# Altium PCB higgs.PcbDoc (part 8 of 25) (continued)
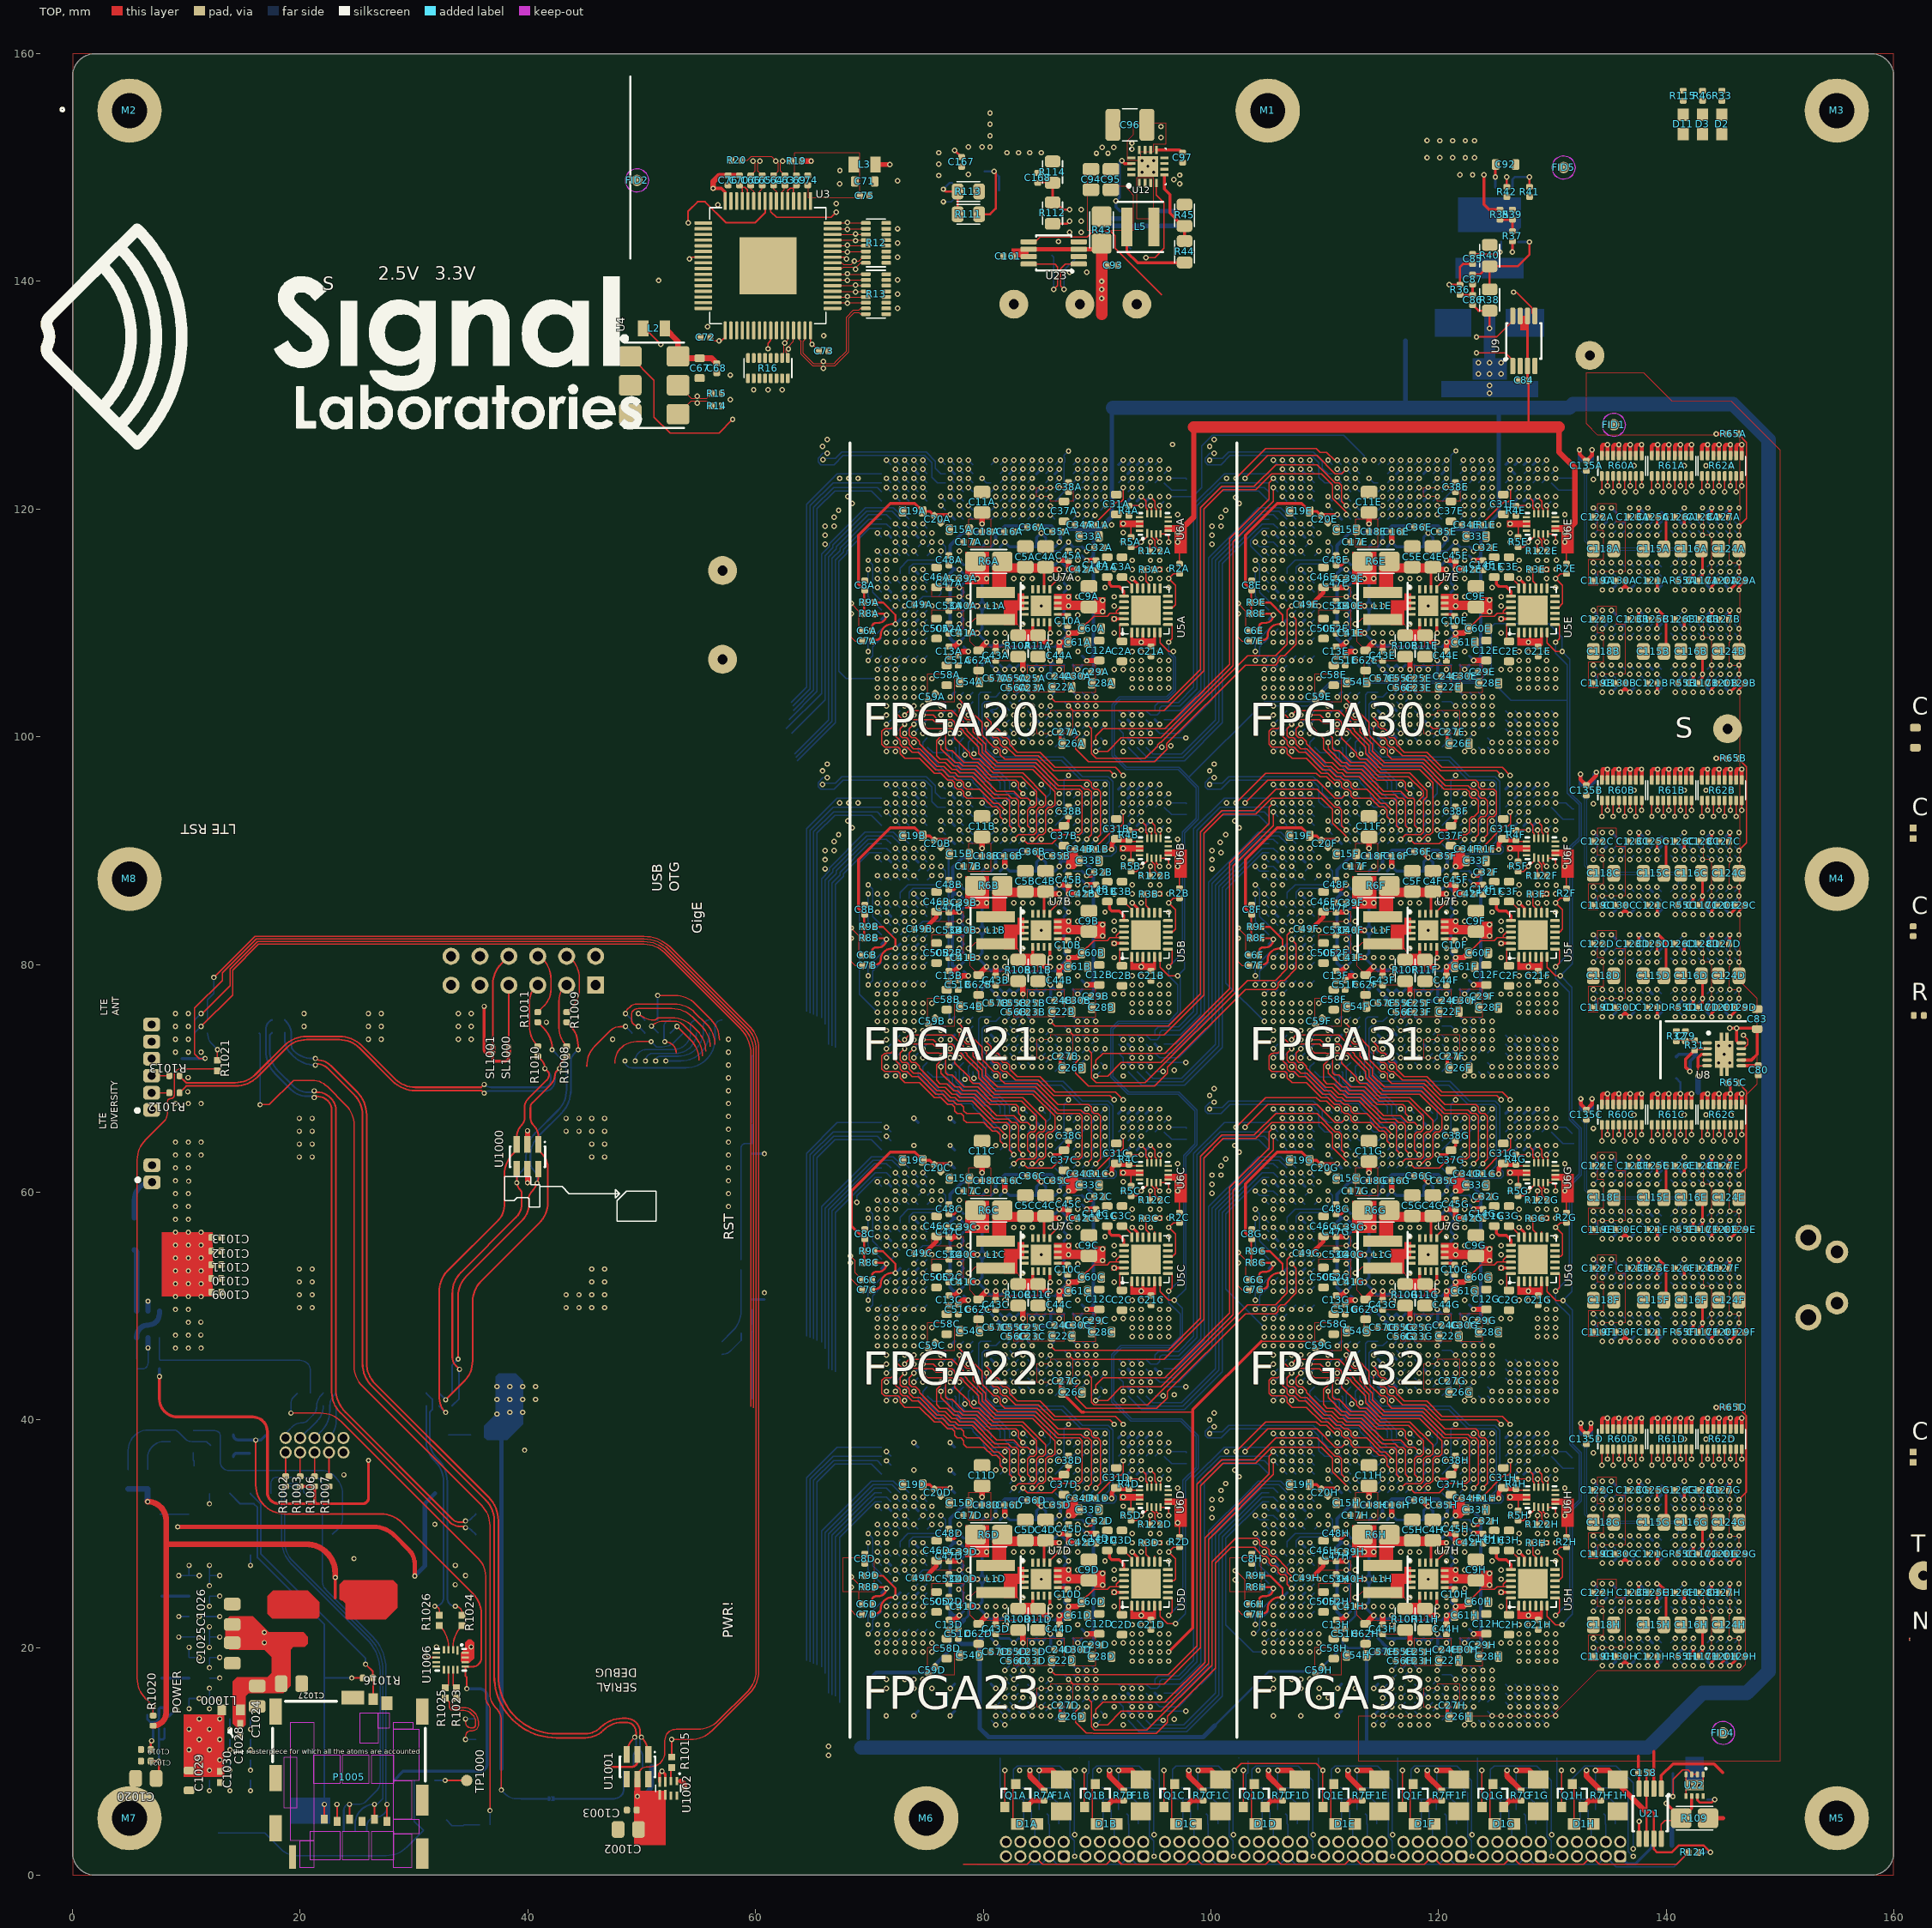
[diagram p0: TOP view]
## Nets (pads, with @x,y where several pads share a name; then routed paths per layer and width w, separated by ;. In a path a pad name is that pad's centre, name@x,y a point inside that pad or via, vN(x,y) a via of type N, cw(c..) or ccw(c..) an arc to the next point about the centre after c; other vN are vias at no path point) (continued)
GND: C1A.1 C1B.1 C1C.1 C1D.1 C1E.1 C1F.1 C1G.1 C1H.1 C2A.1 C2B.1 C2C.1 C2D.1 C2E.1 C2F.1 C2G.1 C2H.1 C3A.1 C3B.1 C3C.1 C3D.1 C3E.1 C3F.1 C3G.1 C3H.1 C4A.1 C4B.1 C4C.1 C4D.1 C4E.1 C4F.1 C4G.1 C4H.1 C5A.1 C5B.1 C5C.1 C5D.1 C5E.1 C5F.1 C5G.1 C5H.1 C8A.1 C8B.1 C8C.1 C8D.1 C8E.1 C8F.1 C8G.1 C8H.1 C9A.1 C9B.1 C9C.1 C9D.1 C9E.1 C9F.1 C9G.1 C9H.1 C10A.2 C10B.2 C10C.2 C10D.2 C10E.2 C10F.2 C10G.2 C10H.2 C11A.1 C11B.1 C11C.1 C11D.1 C11E.1 C11F.1 C11G.1 C11H.1 C12A.1 C12B.1 C12C.1 C12D.1 C12E.1 C12F.1 C12G.1 C12H.1 C13A.1 C13B.1 C13C.1 C13D.1 C13E.1 C13F.1 C13G.1 C13H.1 C14A.2 C14B.2 C14C.2 C14D.2 C14E.2 C14F.2 C14G.2 C14H.2 C15A.1 C15B.1 C15C.1 C15D.1 C15E.1 C15F.1 C15G.1 C15H.1 C16A.1 C16B.1 C16C.1 C16D.1 C16E.1 C16F.1 C16G.1 C16H.1 C17A.1 C17B.1 C17C.1 C17D.1 C17E.1 C17F.1 C17G.1 C17H.1 C18A.1 C18B.1 C18C.1 C18D.1 C18E.1 C18F.1 C18G.1 C18H.1 C19A.1 C19B.1 C19C.1 C19D.1 C19E.1 C19F.1 C19G.1 C19H.1 C20A.1 C20B.1 C20C.1 C20D.1 C20E.1 C20F.1 C20G.1 C20H.1 C21A.1 C21B.1 C21C.1 C21D.1 C21E.1 C21F.1 C21G.1 C21H.1 C22A.1 C22B.1 C22C.1 C22D.1 C22E.1 C22F.1 C22G.1 C22H.1 C23A.1 C23B.1 C23C.1 C23D.1 C23E.1 C23F.1 C23G.1 C23H.1 C24A.1 C24B.1 C24C.1 C24D.1 C24E.1 C24F.1 C24G.1 C24H.1 C25A.1 C25B.1 C25C.1 C25D.1 C25E.1 C25F.1 C25G.1 C25H.1 C26A.1 C26B.1 C26C.1 C26D.1 C26E.1 C26F.1 C26G.1 C26H.1 C27A.1 C27B.1 C27C.1 C27D.1 C27E.1 C27F.1 C27G.1 C27H.1 C28A.1 C28B.1 C28C.1 C28D.1 C28E.1 C28F.1 C28G.1 C28H.1 C29A.1 C29B.1 C29C.1 C29D.1 C29E.1 C29F.1 C29G.1 C29H.1 C30A.1 C30B.1 C30C.1 C30D.1 C30E.1 C30F.1 C30G.1 C30H.1 C31A.1 C31B.1 C31C.1 C31D.1 C31E.1 C31F.1 C31G.1 C31H.1 C32A.1 C32B.1 C32C.1 C32D.1 C32E.1 C32F.1 C32G.1 C32H.1 C33A.1 C33B.1 C33C.1 C33D.1 C33E.1 C33F.1 C33G.1 C33H.1 C34A.1 C34B.1 C34C.1 C34D.1 C34E.1 C34F.1 C34G.1 C34H.1 C35A.1 C35B.1 C35C.1 C35D.1 C35E.1 C35F.1 C35G.1 C35H.1 C36A.1 C36B.1 C36C.1 C36D.1 C36E.1 C36F.1 C36G.1 C36H.1 C37A.1 C37B.1 C37C.1 C37D.1 C37E.1 C37F.1 C37G.1 C37H.1 C38A.1 C38B.1 C38C.1 C38D.1 C38E.1 C38F.1 C38G.1 C38H.1 C39A.1 C39B.1 C39C.1 C39D.1 C39E.1 C39F.1 C39G.1 C39H.1 C40A.1 C40B.1 C40C.1 C40D.1 C40E.1 C40F.1 C40G.1 C40H.1 C41A.1 C41B.1 C41C.1 C41D.1 C41E.1 C41F.1 C41G.1 C41H.1 C42A.1 C42B.1 C42C.1 C42D.1 C42E.1 C42F.1 C42G.1 C42H.1 C43A.1 C43B.1 C43C.1 C43D.1 C43E.1 C43F.1 C43G.1 C43H.1 C44A.1 C44B.1 C44C.1 C44D.1 C44E.1 C44F.1 C44G.1 C44H.1 C45A.1 C45B.1 C45C.1 C45D.1 C45E.1 C45F.1 C45G.1 C45H.1 C46A.1 C46B.1 C46C.1 C46D.1 C46E.1 C46F.1 C46G.1 C46H.1 C47A.1 C47B.1 C47C.1 C47D.1 C47E.1 C47F.1 C47G.1 C47H.1 C48A.1 C48B.1 C48C.1 C48D.1 C48E.1 C48F.1 C48G.1 C48H.1 C49A.1 C49B.1 C49C.1 C49D.1 C49E.1 C49F.1 C49G.1 C49H.1 C50A.1 C50B.1 C50C.1 C50D.1 C50E.1 C50F.1 C50G.1 C50H.1 C51A.1 C51B.1 C51C.1 C51D.1 C51E.1 C51F.1 C51G.1 C51H.1 C52A.1 C52B.1 C52C.1 C52D.1 C52E.1 C52F.1 C52G.1 C52H.1 C53A.1 C53B.1 C53C.1 C53D.1 C53E.1 C53F.1 C53G.1 C53H.1 C54A.1 C54B.1 C54C.1 C54D.1 C54E.1 C54F.1 C54G.1 C54H.1 C55A.1 C55B.1 C55C.1 C55D.1 C55E.1 C55F.1 C55G.1 C55H.1 C56A.1 C56B.1 C56C.1 C56D.1 C56E.1 C56F.1 C56G.1 C56H.1 C57A.1 C57B.1 C57C.1 C57D.1 C57E.1 C57F.1 C57G.1 C57H.1 C58A.1 C58B.1 C58C.1 C58D.1 C58E.1 C58F.1 C58G.1 C58H.1 C59A.1 C59B.1 C59C.1 C59D.1 C59E.1 C59F.1 C59G.1 C59H.1 C60A.1 C60B.1 C60C.1 C60D.1 C60E.1 C60F.1 C60G.1 C60H.1 C61A.1 C61B.1 C61C.1 C61D.1 C61E.1 C61F.1 C61G.1 C61H.1 C62A.1 C62B.1 C62C.1 C62D.1 C62E.1 C62F.1 C62G.1 C62H.1 C67.1 C68.1 C71.1 C72.1 C73.1 C74.1 C75.2 C76.2 C77.1 C78.1 C79.2 C80.1 C81.1 C82.1 C83.1 C84.1 C88.1 C89.1 C90.2 C91.2 C92.1 C93.1 C94.1 C95.1 C96.1 C97.2 C98A.1 C98B.1 C99A.1 C99B.1 C101A.1 C101B.1 C102A.1 C102B.1 C104A.2 C104B.2 C105A.2 C105B.2 C106A.2 C106B.2 C108A.1 C108B.1 C109A.1 C109B.1 C114A.1 C114B.1 C115A.2 C115B.2 C115C.2 C115D.2 C115E.2 C115F.2 C115G.2 C115H.2 C116A.2 C116B.2 C116C.2 C116D.2 C116E.2 C116F.2 C116G.2 C116H.2 C117A.1 C117B.1 C117C.1 C117D.1 C117E.1 C117F.1 C117G.1 C117H.1 C118A.2 C118B.2 C118C.2 C118D.2 C118E.2 C118F.2 C118G.2 C118H.2 C119A.1 C119B.1 C119C.1 C119D.1 C119E.1 C119F.1 C119G.1 C119H.1 C120A.1 C120B.1 C120C.1 C120D.1 C120E.1 C120F.1 C120G.1 C120H.1 C121A.1 C121B.1 C121C.1 C121D.1 C121E.1 C121F.1 C121G.1 C121H.1 C122A.1 C122B.1 C122C.1 C122D.1 C122E.1 C122F.1 C122G.1 C122H.1 C123A.1 C123B.1 C123C.1 C123D.1 C123E.1 C123F.1 C123G.1 C123H.1 C124A.2 C124B.2 C124C.2 C124D.2 C124E.2 C124F.2 C124G.2 C124H.2 C125A.1 C125B.1 C125C.1 C125D.1 C125E.1 C125F.1 C125G.1 C125H.1 C126A.1 C126B.1 C126C.1 C126D.1 C126E.1 C126F.1 C126G.1 C126H.1 C127A.1 C127B.1 C127C.1 C127D.1 C127E.1 C127F.1 C127G.1 C127H.1 C128A.1 C128B.1 C128C.1 C128D.1 C128E.1 C128F.1 C128G.1 C128H.1 C129A.1 C129B.1 C129C.1 C129D.1 C129E.1 C129F.1 C129G.1 C129H.1 C130A.1 C130B.1 C130C.1 C130D.1 C130E.1 C130F.1 C130G.1 C130H.1 C131.2 C132.1 C133.2 C134.2 C135A.1 C135B.1 C135C.1 C135D.1 C136A.2 C136B.2 C136C.2 C136D.2 C137A.2 C137B.2 C137C.2 C137D.2 C138A.1 C138B.1 C138C.1 C138D.1 C139A.1 C139B.1 C139C.1 C139D.1 C140A.1 C140B.1 C140C.1 C140D.1 C141A.1 C141B.1 C141C.1 C141D.1 C142A.1 C142B.1 C143A.1 C143B.1 C144A.1 C144B.1 C145A.1 C145B.1 C146A.1 C146B.1 C149A.1 C149B.1 C150A.1 C150B.1 C151A.1 C151B.1 C152A.1 C152B.1 C158.1 C159.1 C160.1 C161.1 C162.1 C163.1 C164.1 C165.1 C166.1 C167.1 C168.1 C178.1 C182.1 C186.1 C190.1 C1000.1 C1001.1 C1002.1 C1003.1 C1004.2 C1005.2 C1006.2 C1007.2 C1008.1 C1009.1 C1010.1 C1011.1 C1012.1 C1013.1 C1014.1 C1015.1 C1016.1 C1017.1 C1018.1 C1019.1 C1020.1 C1021.1 C1022.1 C1023.2 C1024.1 C1025.1 C1026.1 C1027.1 C1028.2 C1029.1 C1030.2 D2.2 D3.2 D11.2 D1000.1 J5A.1 J5B.1 J5C.1 J5D.1 J5E.1 J5F.1 J5G.1 J5H.1 M1.1 M2.1 M3.1 M4.1 M5.1 M6.1 M7.1 M8.1 P1.2 P2.2 P3.2 P4.2 P5.2 P6.2 P7.2 P8.2 P9.2 P10.2 P11.2 P12.2 P1001.11 P1001.12 P1002.1 P1002.6 P1004.5 P1004.SHELL P1004.SHELL1 P1004.SHELL2 P1004.SHELL3 P1005.C5 P1005.DETECT_LEVER P1005.P1 P1005.P2 P1005.P3 P1005.P4 P1005.P5 P1005.P6 P1005.P7 P1005.P8 P1006.2 P1007.2 P1008.2 Q1000.5 Q1001.2 R7A.2 R7B.2 R7C.2 R7D.2 R7E.2 R7F.2 R7G.2 R7H.2 R11A.1 R11B.1 R11C.1 R11D.1 R11E.1 R11F.1 R11G.1 R11H.1 R12.9 R12.10 R12.11 R12.12 R12.13 R12.14 R12.15 R12.16 R13.9 R13.10 R13.11 R13.12 R13.13 R13.14 R13.15 R13.16 R14.1 R15.1 R16.9 R16.10 R16.11 R16.12 R16.13 R16.14 R16.15 R16.16 R19.2 R20.2 R23A.1 R23B.1 R25A.1 R25B.1 R30.1 R32.2 R39.2 R40.1 R41.2 R42.2 R45.1 R55A.1 R55B.1 R55C.1 R55D.1 R55E.1 R55F.1 R55G.1 R55H.1 R59.1 R113.1 R114.1 R124.1 R124A.2 R124B.2 R124C.2 R124D.2 R124E.2 R124F.2 R124G.2 R124H.2 R1002.2 R1007.2 R1019.2 R1022.1 R1028.1 R1029.2 R1030.2 R?.2 S1.1 S1.3 S1000.2 S1000.3 S1000.5 S1001.2 S1001.3 S1001.5 S1002.2 S1002.3 S1002.5 T1.1 T1.2 T1.5 T2.1 T2.2 T2.5 T3.1 T3.2 T3.5 T4.1 T4.2 T4.5 T5.1 T5.2 T5.5 T6.1 T6.2 T6.5 T7.1 T7.2 T7.5 T8.1 T8.2 T8.5 T9.1 T9.2 T9.5 T10.1 T10.2 T10.5 TP14.1 TP15.1 TP16.1 TP17.1 TP18.1 U1A.AA11 U1A.AA22 U1A.AB11 U1A.AB12 U1A.AB13 U1A.AB14 U1A.AB15 U1A.AB16 U1A.AB17 U1A.AB18 U1A.AB19 U1A.AB20 U1A.AB21 U1A.AB22 U1A.AC12 U1A.AC13 U1A.AC14 U1A.AC15 U1A.AC16 U1A.AC17 U1A.AC18 U1A.AC19 U1A.AC20 U1A.AC21 U1A.AD2 U1A.AD5 U1A.AD28 U1A.AD31 U1A.AF11 U1A.AF12 U1A.AF14 U1A.AF15 U1A.AF16 U1A.AF17 U1A.AF19 U1A.AF20 U1A.AF22 U1A.AF23 U1A.AG9 U1A.AG11 U1A.AG12 U1A.AG14 U1A.AG15 U1A.AG16 U1A.AG17 U1A.AG19 U1A.AG20 U1A.AG22 U1A.AG23 U1A.AH2 U1A.AH5 U1A.AH7 U1A.AH8 U1A.AH9 U1A.AH11 U1A.AH12 U1A.AH14 U1A.AH15 U1A.AH16 U1A.AH17 U1A.AH19 U1A.AH20 U1A.AH22 U1A.AH23 U1A.AH24 U1A.AH25 U1A.AH26 U1A.AH29 U1A.AH31 U1A.AJ7 U1A.AJ8 U1A.AJ9 U1A.AJ10 U1A.AJ11 U1A.AJ12 U1A.AJ13 U1A.AJ14 U1A.AJ15 U1A.AJ16 U1A.AJ17 U1A.AJ18 U1A.AJ19 U1A.AJ20 U1A.AJ21 U1A.AJ22 U1A.AJ23 U1A.AJ24 U1A.AJ25 U1A.AJ26 U1A.AK7 U1A.AK8 U1A.AK11 U1A.AK14 U1A.AK17 U1A.AK20 U1A.AK23 U1A.AK26 U1A.AL2 U1A.AL5 U1A.AL7 U1A.AL8 U1A.AL9 U1A.AL11 U1A.AL12 U1A.AL14 U1A.AL15 U1A.AL17 U1A.AL18 U1A.AL20 U1A.AL21 U1A.AL23 U1A.AL24 U1A.AL26 U1A.AL29 U1A.AL31 U1A.AM7 U1A.AM8 U1A.AM9 U1A.AM11 U1A.AM12 U1A.AM14 U1A.AM15 U1A.AM17 U1A.AM18 U1A.AM20 U1A.AM21 U1A.AM23 U1A.AM24 U1A.AM26 U1A.B2 U1A.B5 U1A.B9 U1A.B13 U1A.B15 U1A.B18 U1A.B20 U1A.B24 U1A.B28 U1A.B31 U1A.E2 U1A.E5 U1A.E9 U1A.E13 U1A.E15 U1A.E18 U1A.E20 U1A.E24 U1A.E28 U1A.E31 U1A.J2 U1A.J5 U1A.J28 U1A.J31 U1A.K10 U1A.K11 U1A.K22 U1A.K23 U1A.L10 U1A.L11 U1A.L12 U1A.L13 U1A.L14 U1A.L15 U1A.L16 U1A.L17 U1A.L18 U1A.L19 U1A.L20 U1A.L21 U1A.L22 U1A.L23 U1A.M11 U1A.M22 U1A.N2 U1A.N5 U1A.N11 U1A.N13 U1A.N14 U1A.N15 U1A.N16 U1A.N17 U1A.N18 U1A.N19 U1A.N20 U1A.N22 U1A.N28 U1A.N31 U1A.P11 U1A.P13 U1A.P14 U1A.P15 U1A.P16 U1A.P17 U1A.P18 U1A.P19 U1A.P20 U1A.P22 U1A.R2 U1A.R5 U1A.R11 U1A.R13 U1A.R14 U1A.R15 U1A.R16 U1A.R17 U1A.R18 U1A.R19 U1A.R20 U1A.R22 U1A.R28 U1A.R31 U1A.T11 U1A.T13 U1A.T14 U1A.T15 U1A.T16 U1A.T17 U1A.T18 U1A.T19 U1A.T20 U1A.T22 U1A.U11 U1A.U13 U1A.U14 U1A.U15 U1A.U16 U1A.U17 U1A.U18 U1A.U19 U1A.U20 U1A.U22 U1A.V2 U1A.V5 U1A.V11 U1A.V13 U1A.V14 U1A.V15 U1A.V16 U1A.V17 U1A.V18 U1A.V19 U1A.V20 U1A.V22 U1A.V28 U1A.V31 U1A.W11 U1A.W13 U1A.W14 U1A.W15 U1A.W16 U1A.W17 U1A.W18 U1A.W19 U1A.W20 U1A.W22 U1A.Y2 U1A.Y11 U1A.Y13 U1A.Y14 U1A.Y15 U1A.Y16 U1A.Y17 U1A.Y18 U1A.Y19 U1A.Y20 U1A.Y22 U1A.Y31 U1B.AA11 U1B.AA22 U1B.AB11 U1B.AB12 U1B.AB13 U1B.AB14 U1B.AB15 U1B.AB16 U1B.AB17 U1B.AB18 U1B.AB19 U1B.AB20 U1B.AB21 U1B.AB22 U1B.AC12 U1B.AC13 U1B.AC14 U1B.AC15 U1B.AC16 U1B.AC17 U1B.AC18 U1B.AC19 U1B.AC20 U1B.AC21 U1B.AD2 U1B.AD5 U1B.AD28 U1B.AD31 U1B.AF11 U1B.AF12 U1B.AF14 U1B.AF15 U1B.AF16 U1B.AF17 U1B.AF19 U1B.AF20 U1B.AF22 U1B.AF23 U1B.AG9 U1B.AG11 U1B.AG12 U1B.AG14 U1B.AG15 U1B.AG16 U1B.AG17 U1B.AG19 U1B.AG20 U1B.AG22 U1B.AG23 U1B.AH2 U1B.AH5 U1B.AH7 U1B.AH8 U1B.AH9 U1B.AH11 U1B.AH12 U1B.AH14 U1B.AH15 U1B.AH16 U1B.AH17 U1B.AH19 U1B.AH20 U1B.AH22 U1B.AH23 U1B.AH24 U1B.AH25 U1B.AH26 U1B.AH29 U1B.AH31 U1B.AJ7 U1B.AJ8 U1B.AJ9 U1B.AJ10 U1B.AJ11 U1B.AJ12 U1B.AJ13 U1B.AJ14 U1B.AJ15 U1B.AJ16 U1B.AJ17 U1B.AJ18 U1B.AJ19 U1B.AJ20 U1B.AJ21 U1B.AJ22 U1B.AJ23 U1B.AJ24 U1B.AJ25 U1B.AJ26 U1B.AK7 U1B.AK8 U1B.AK11 U1B.AK14 U1B.AK17 U1B.AK20 U1B.AK23 U1B.AK26 U1B.AL2 U1B.AL5 U1B.AL7 U1B.AL8 U1B.AL9 U1B.AL11 U1B.AL12 U1B.AL14 U1B.AL15 U1B.AL17 U1B.AL18 U1B.AL20 U1B.AL21 U1B.AL23 U1B.AL24 U1B.AL26 U1B.AL29 U1B.AL31 U1B.AM7 U1B.AM8 U1B.AM9 U1B.AM11 U1B.AM12 U1B.AM14 U1B.AM15 U1B.AM17 U1B.AM18 U1B.AM20 U1B.AM21 U1B.AM23 U1B.AM24 U1B.AM26 U1B.B2 U1B.B5 U1B.B9 U1B.B13 U1B.B15 U1B.B18 U1B.B20 U1B.B24 U1B.B28 U1B.B31 U1B.E2 U1B.E5 U1B.E9 U1B.E13 U1B.E15 U1B.E18 U1B.E20 U1B.E24 U1B.E28 U1B.E31 U1B.J2 U1B.J5 U1B.J28 U1B.J31 U1B.K10 U1B.K11 U1B.K22 U1B.K23 U1B.L10 U1B.L11 U1B.L12 U1B.L13 U1B.L14 U1B.L15 U1B.L16 U1B.L17 U1B.L18 U1B.L19 U1B.L20 U1B.L21 U1B.L22 U1B.L23 U1B.M11 U1B.M22 U1B.N2 U1B.N5 U1B.N11 U1B.N13 U1B.N14 U1B.N15 U1B.N16 U1B.N17 U1B.N18 U1B.N19 U1B.N20 U1B.N22 U1B.N28 U1B.N31 U1B.P11 U1B.P13 U1B.P14 U1B.P15 U1B.P16 U1B.P17 U1B.P18 U1B.P19 U1B.P20 U1B.P22 U1B.R2 U1B.R5 U1B.R11 U1B.R13 U1B.R14 U1B.R15 U1B.R16 U1B.R17 U1B.R18 U1B.R19 U1B.R20 U1B.R22 U1B.R28 U1B.R31 U1B.T11 U1B.T13 U1B.T14 U1B.T15 U1B.T16 U1B.T17 U1B.T18 U1B.T19 U1B.T20 U1B.T22 U1B.U11 U1B.U13 U1B.U14 U1B.U15 U1B.U16 U1B.U17 U1B.U18 U1B.U19 U1B.U20 U1B.U22 U1B.V2 U1B.V5 U1B.V11 U1B.V13 U1B.V14 U1B.V15 U1B.V16 U1B.V17 U1B.V18 U1B.V19 U1B.V20 U1B.V22 U1B.V28 U1B.V31 U1B.W11 U1B.W13 U1B.W14 U1B.W15 U1B.W16 U1B.W17 U1B.W18 U1B.W19 U1B.W20 U1B.W22 U1B.Y2 U1B.Y11 U1B.Y13 U1B.Y14 U1B.Y15 U1B.Y16 U1B.Y17 U1B.Y18 U1B.Y19 U1B.Y20 U1B.Y22 U1B.Y31 U1C.AA11 U1C.AA22 U1C.AB11 U1C.AB12 U1C.AB13 U1C.AB14 U1C.AB15 U1C.AB16 U1C.AB17 U1C.AB18 U1C.AB19 U1C.AB20 U1C.AB21 U1C.AB22 U1C.AC12 U1C.AC13 U1C.AC14 U1C.AC15 U1C.AC16 U1C.AC17 U1C.AC18 U1C.AC19 U1C.AC20 U1C.AC21 U1C.AD2 U1C.AD5 U1C.AD28 U1C.AD31 U1C.AF11 U1C.AF12 U1C.AF14 U1C.AF15 U1C.AF16 U1C.AF17 U1C.AF19 U1C.AF20 U1C.AF22 U1C.AF23 U1C.AG9 U1C.AG11 U1C.AG12 U1C.AG14 U1C.AG15 U1C.AG16 U1C.AG17 U1C.AG19 U1C.AG20 U1C.AG22 U1C.AG23 U1C.AH2 U1C.AH5 U1C.AH7 U1C.AH8 U1C.AH9 U1C.AH11 U1C.AH12 U1C.AH14 U1C.AH15 U1C.AH16 U1C.AH17 U1C.AH19 U1C.AH20 U1C.AH22 U1C.AH23 U1C.AH24 U1C.AH25 U1C.AH26 U1C.AH29 U1C.AH31 U1C.AJ7 U1C.AJ8 U1C.AJ9 U1C.AJ10 U1C.AJ11 U1C.AJ12 U1C.AJ13 U1C.AJ14 U1C.AJ15 U1C.AJ16 U1C.AJ17 U1C.AJ18 U1C.AJ19 U1C.AJ20 U1C.AJ21 U1C.AJ22 U1C.AJ23 U1C.AJ24 U1C.AJ25 U1C.AJ26 U1C.AK7 U1C.AK8 U1C.AK11 U1C.AK14 U1C.AK17 U1C.AK20 U1C.AK23 U1C.AK26 U1C.AL2 U1C.AL5 U1C.AL7 U1C.AL8 U1C.AL9 U1C.AL11 U1C.AL12 U1C.AL14 U1C.AL15 U1C.AL17 U1C.AL18 U1C.AL20 U1C.AL21 U1C.AL23 U1C.AL24 U1C.AL26 U1C.AL29 U1C.AL31 U1C.AM7 U1C.AM8 U1C.AM9 U1C.AM11 U1C.AM12 U1C.AM14 U1C.AM15 U1C.AM17 U1C.AM18 U1C.AM20 U1C.AM21 U1C.AM23 U1C.AM24 U1C.AM26 U1C.B2 U1C.B5 U1C.B9 U1C.B13 U1C.B15 U1C.B18 U1C.B20 U1C.B24 U1C.B28 U1C.B31 U1C.E2 U1C.E5 U1C.E9 U1C.E13 U1C.E15 U1C.E18 U1C.E20 U1C.E24 U1C.E28 U1C.E31 U1C.J2 U1C.J5 U1C.J28 U1C.J31 U1C.K10 U1C.K11 U1C.K22 U1C.K23 U1C.L10 U1C.L11 U1C.L12 U1C.L13 U1C.L14 U1C.L15 U1C.L16 U1C.L17 U1C.L18 U1C.L19 U1C.L20 U1C.L21 U1C.L22 U1C.L23 U1C.M11 U1C.M22 U1C.N2 U1C.N5 U1C.N11 U1C.N13 U1C.N14 U1C.N15 U1C.N16 U1C.N17 U1C.N18 U1C.N19 U1C.N20 U1C.N22 U1C.N28 U1C.N31 U1C.P11 U1C.P13 U1C.P14 U1C.P15 U1C.P16 U1C.P17 U1C.P18 U1C.P19 U1C.P20 U1C.P22 U1C.R2 U1C.R5 U1C.R11 U1C.R13 U1C.R14 U1C.R15 U1C.R16 U1C.R17 U1C.R18 U1C.R19 U1C.R20 U1C.R22 U1C.R28 U1C.R31 U1C.T11 U1C.T13 U1C.T14 U1C.T15 U1C.T16 U1C.T17 U1C.T18 U1C.T19 U1C.T20 U1C.T22 U1C.U11 U1C.U13 U1C.U14 U1C.U15 U1C.U16 U1C.U17 U1C.U18 U1C.U19 U1C.U20 U1C.U22 U1C.V2 U1C.V5 U1C.V11 U1C.V13 U1C.V14 U1C.V15 U1C.V16 U1C.V17 U1C.V18 U1C.V19 U1C.V20 U1C.V22 U1C.V28 U1C.V31 U1C.W11 U1C.W13 U1C.W14 U1C.W15 U1C.W16 U1C.W17 U1C.W18 U1C.W19 U1C.W20 U1C.W22 U1C.Y2 U1C.Y11 U1C.Y13 U1C.Y14 U1C.Y15 U1C.Y16 U1C.Y17 U1C.Y18 U1C.Y19 U1C.Y20 U1C.Y22 U1C.Y31 U1D.AA11 U1D.AA22 U1D.AB11 U1D.AB12 U1D.AB13 U1D.AB14 U1D.AB15 U1D.AB16 U1D.AB17 U1D.AB18 U1D.AB19 U1D.AB20 U1D.AB21 U1D.AB22 U1D.AC12 U1D.AC13 U1D.AC14 U1D.AC15 U1D.AC16 U1D.AC17 U1D.AC18 U1D.AC19 U1D.AC20 U1D.AC21 U1D.AD2 U1D.AD5 U1D.AD28 U1D.AD31 U1D.AF11 U1D.AF12 U1D.AF14 U1D.AF15 U1D.AF16 U1D.AF17 U1D.AF19 U1D.AF20 U1D.AF22 U1D.AF23 U1D.AG9 U1D.AG11 U1D.AG12 U1D.AG14 U1D.AG15 U1D.AG16 U1D.AG17 U1D.AG19 U1D.AG20 U1D.AG22 U1D.AG23 U1D.AH2 U1D.AH5 U1D.AH7 U1D.AH8 U1D.AH9 U1D.AH11 U1D.AH12 U1D.AH14 U1D.AH15 U1D.AH16 U1D.AH17 U1D.AH19 U1D.AH20 U1D.AH22 U1D.AH23 U1D.AH24 U1D.AH25 U1D.AH26 U1D.AH29 U1D.AH31 U1D.AJ7 U1D.AJ8 U1D.AJ9 U1D.AJ10 U1D.AJ11 U1D.AJ12 U1D.AJ13 U1D.AJ14 U1D.AJ15 U1D.AJ16 U1D.AJ17 U1D.AJ18 U1D.AJ19 U1D.AJ20 U1D.AJ21 U1D.AJ22 U1D.AJ23 U1D.AJ24 U1D.AJ25 U1D.AJ26 U1D.AK7 U1D.AK8 U1D.AK11 U1D.AK14 U1D.AK17 U1D.AK20 U1D.AK23 U1D.AK26 U1D.AL2 U1D.AL5 U1D.AL7 U1D.AL8 U1D.AL9 U1D.AL11 U1D.AL12 U1D.AL14 U1D.AL15 U1D.AL17 U1D.AL18 U1D.AL20 U1D.AL21 U1D.AL23 U1D.AL24 U1D.AL26 U1D.AL29 U1D.AL31 U1D.AM7 U1D.AM8 U1D.AM9 U1D.AM11 U1D.AM12 U1D.AM14 U1D.AM15 U1D.AM17 U1D.AM18 U1D.AM20 U1D.AM21 U1D.AM23 U1D.AM24 U1D.AM26 U1D.B2 U1D.B5 U1D.B9 U1D.B13 U1D.B15 U1D.B18 U1D.B20 U1D.B24 U1D.B28 U1D.B31 U1D.E2 U1D.E5 U1D.E9 U1D.E13 U1D.E15 U1D.E18 U1D.E20 U1D.E24 U1D.E28 U1D.E31 U1D.J2 U1D.J5 U1D.J28 U1D.J31 U1D.K10 U1D.K11 U1D.K22 U1D.K23 U1D.L10 U1D.L11 U1D.L12 U1D.L13 U1D.L14 U1D.L15 U1D.L16 U1D.L17 U1D.L18 U1D.L19 U1D.L20 U1D.L21 U1D.L22 U1D.L23 U1D.M11 U1D.M22 U1D.N2 U1D.N5 U1D.N11 U1D.N13 U1D.N14 U1D.N15 U1D.N16 U1D.N17 U1D.N18 U1D.N19 U1D.N20 U1D.N22 U1D.N28 U1D.N31 U1D.P11 U1D.P13 U1D.P14 U1D.P15 U1D.P16 U1D.P17 U1D.P18 U1D.P19 U1D.P20 U1D.P22 U1D.R2 U1D.R5 U1D.R11 U1D.R13 U1D.R14 U1D.R15 U1D.R16 U1D.R17 U1D.R18 U1D.R19 U1D.R20 U1D.R22 U1D.R28 U1D.R31 U1D.T11 U1D.T13 U1D.T14 U1D.T15 U1D.T16 U1D.T17 U1D.T18 U1D.T19 U1D.T20 U1D.T22 U1D.U11 U1D.U13 U1D.U14 U1D.U15 U1D.U16 U1D.U17 U1D.U18 U1D.U19 U1D.U20 U1D.U22 U1D.V2 U1D.V5 U1D.V11 U1D.V13 U1D.V14 U1D.V15 U1D.V16 U1D.V17 U1D.V18 U1D.V19 U1D.V20 U1D.V22 U1D.V28 U1D.V31 U1D.W11 U1D.W13 U1D.W14 U1D.W15 U1D.W16 U1D.W17 U1D.W18 U1D.W19 U1D.W20 U1D.W22 U1D.Y2 U1D.Y11 U1D.Y13 U1D.Y14 U1D.Y15 U1D.Y16 U1D.Y17 U1D.Y18 U1D.Y19 U1D.Y20 U1D.Y22 U1D.Y31 U1E.AA11 U1E.AA22 U1E.AB11 U1E.AB12 U1E.AB13 U1E.AB14 U1E.AB15 U1E.AB16 U1E.AB17 U1E.AB18 U1E.AB19 U1E.AB20 U1E.AB21 U1E.AB22 U1E.AC12 U1E.AC13 U1E.AC14 U1E.AC15 U1E.AC16 U1E.AC17 U1E.AC18 U1E.AC19 U1E.AC20 U1E.AC21 U1E.AD2 U1E.AD5 U1E.AD28 U1E.AD31 U1E.AF11 U1E.AF12 U1E.AF14 U1E.AF15 U1E.AF16 U1E.AF17 U1E.AF19 U1E.AF20 U1E.AF22 U1E.AF23 U1E.AG9 U1E.AG11 U1E.AG12 U1E.AG14 U1E.AG15 U1E.AG16 U1E.AG17 U1E.AG19 U1E.AG20 U1E.AG22 U1E.AG23 U1E.AH2 U1E.AH5 U1E.AH7 U1E.AH8 U1E.AH9 U1E.AH11 U1E.AH12 U1E.AH14 U1E.AH15 U1E.AH16 U1E.AH17 U1E.AH19 U1E.AH20 U1E.AH22 U1E.AH23 U1E.AH24 U1E.AH25 U1E.AH26 U1E.AH29 U1E.AH31 U1E.AJ7 U1E.AJ8 U1E.AJ9 U1E.AJ10 U1E.AJ11 U1E.AJ12 U1E.AJ13 U1E.AJ14 U1E.AJ15 U1E.AJ16 U1E.AJ17 U1E.AJ18 U1E.AJ19 U1E.AJ20 U1E.AJ21 U1E.AJ22 U1E.AJ23 U1E.AJ24 U1E.AJ25 U1E.AJ26 U1E.AK7 U1E.AK8 U1E.AK11 U1E.AK14 U1E.AK17 U1E.AK20 U1E.AK23 U1E.AK26 U1E.AL2 U1E.AL5 U1E.AL7 U1E.AL8 U1E.AL9 U1E.AL11 U1E.AL12 U1E.AL14 U1E.AL15 U1E.AL17 U1E.AL18 U1E.AL20 U1E.AL21 U1E.AL23 U1E.AL24 U1E.AL26 U1E.AL29 U1E.AL31 U1E.AM7 U1E.AM8 U1E.AM9 U1E.AM11 U1E.AM12 U1E.AM14 U1E.AM15 U1E.AM17 U1E.AM18 U1E.AM20 U1E.AM21 U1E.AM23 U1E.AM24 U1E.AM26 U1E.B2 U1E.B5 U1E.B9 U1E.B13 U1E.B15 U1E.B18 U1E.B20 U1E.B24 U1E.B28 U1E.B31 U1E.E2 U1E.E5 U1E.E9 U1E.E13 U1E.E15 U1E.E18 U1E.E20 U1E.E24 U1E.E28 U1E.E31 U1E.J2 U1E.J5 U1E.J28 U1E.J31 U1E.K10 U1E.K11 U1E.K22 U1E.K23 U1E.L10 U1E.L11 U1E.L12 U1E.L13 U1E.L14 U1E.L15 U1E.L16 U1E.L17 U1E.L18 U1E.L19 U1E.L20 U1E.L21 U1E.L22 U1E.L23 U1E.M11 U1E.M22 U1E.N2 U1E.N5 U1E.N11 U1E.N13 U1E.N14 U1E.N15 U1E.N16 U1E.N17 U1E.N18 U1E.N19 U1E.N20 U1E.N22 U1E.N28 U1E.N31 U1E.P11 U1E.P13 U1E.P14 U1E.P15 U1E.P16 U1E.P17 U1E.P18 U1E.P19 U1E.P20 U1E.P22 U1E.R2 U1E.R5 U1E.R11 U1E.R13 U1E.R14 U1E.R15 U1E.R16 U1E.R17 U1E.R18 U1E.R19 U1E.R20 U1E.R22 U1E.R28 U1E.R31 U1E.T11 U1E.T13 U1E.T14 U1E.T15 U1E.T16 U1E.T17 U1E.T18 U1E.T19 U1E.T20 U1E.T22 U1E.U11 U1E.U13 U1E.U14 U1E.U15 U1E.U16 U1E.U17 U1E.U18 U1E.U19 U1E.U20 U1E.U22 U1E.V2 U1E.V5 U1E.V11 U1E.V13 U1E.V14 U1E.V15 U1E.V16 U1E.V17 U1E.V18 U1E.V19 U1E.V20 U1E.V22 U1E.V28 U1E.V31 U1E.W11 U1E.W13 U1E.W14 U1E.W15 U1E.W16 U1E.W17 U1E.W18 U1E.W19 U1E.W20 U1E.W22 U1E.Y2 U1E.Y11 U1E.Y13 U1E.Y14 U1E.Y15 U1E.Y16 U1E.Y17 U1E.Y18 U1E.Y19 U1E.Y20 U1E.Y22 U1E.Y31 U1F.AA11 U1F.AA22 U1F.AB11 U1F.AB12 U1F.AB13 U1F.AB14 U1F.AB15 U1F.AB16 U1F.AB17 U1F.AB18 U1F.AB19 U1F.AB20 U1F.AB21 U1F.AB22 U1F.AC12 U1F.AC13 U1F.AC14 U1F.AC15 U1F.AC16 U1F.AC17 U1F.AC18 U1F.AC19 U1F.AC20 U1F.AC21 U1F.AD2 U1F.AD5 U1F.AD28 U1F.AD31 U1F.AF11 U1F.AF12 U1F.AF14 U1F.AF15 U1F.AF16 U1F.AF17 U1F.AF19 U1F.AF20 U1F.AF22 U1F.AF23 U1F.AG9 U1F.AG11 U1F.AG12 U1F.AG14 U1F.AG15 U1F.AG16 U1F.AG17 U1F.AG19 U1F.AG20 U1F.AG22 U1F.AG23 U1F.AH2 U1F.AH5 U1F.AH7 U1F.AH8 U1F.AH9 U1F.AH11 U1F.AH12 U1F.AH14 U1F.AH15 U1F.AH16 U1F.AH17 U1F.AH19 U1F.AH20 U1F.AH22 U1F.AH23 U1F.AH24 U1F.AH25 U1F.AH26 U1F.AH29 U1F.AH31 U1F.AJ7 U1F.AJ8 U1F.AJ9 U1F.AJ10 U1F.AJ11 U1F.AJ12 U1F.AJ13 U1F.AJ14 U1F.AJ15 U1F.AJ16 U1F.AJ17 U1F.AJ18 U1F.AJ19 U1F.AJ20 U1F.AJ21 U1F.AJ22 U1F.AJ23 U1F.AJ24 U1F.AJ25 U1F.AJ26 U1F.AK7 U1F.AK8 U1F.AK11 U1F.AK14 U1F.AK17 U1F.AK20 U1F.AK23 U1F.AK26 U1F.AL2 U1F.AL5 U1F.AL7 U1F.AL8 U1F.AL9 U1F.AL11 U1F.AL12 U1F.AL14 U1F.AL15 U1F.AL17 U1F.AL18 U1F.AL20 U1F.AL21 U1F.AL23 U1F.AL24 U1F.AL26 U1F.AL29 U1F.AL31 U1F.AM7 U1F.AM8 U1F.AM9 U1F.AM11 U1F.AM12 U1F.AM14 U1F.AM15 U1F.AM17 U1F.AM18 U1F.AM20 U1F.AM21 U1F.AM23 U1F.AM24 U1F.AM26 U1F.B2 U1F.B5 U1F.B9 U1F.B13 U1F.B15 U1F.B18 U1F.B20 U1F.B24 U1F.B28 U1F.B31 U1F.E2 U1F.E5 U1F.E9 U1F.E13 U1F.E15 U1F.E18 U1F.E20 U1F.E24 U1F.E28 U1F.E31 U1F.J2 U1F.J5 U1F.J28 U1F.J31 U1F.K10 U1F.K11 U1F.K22 U1F.K23 U1F.L10 U1F.L11 U1F.L12 U1F.L13 U1F.L14 U1F.L15 U1F.L16 U1F.L17 U1F.L18 U1F.L19 U1F.L20 U1F.L21 U1F.L22 U1F.L23 U1F.M11 U1F.M22 U1F.N2 U1F.N5 U1F.N11 U1F.N13 U1F.N14 U1F.N15 U1F.N16 U1F.N17 U1F.N18 U1F.N19 U1F.N20 U1F.N22 U1F.N28 U1F.N31 U1F.P11 U1F.P13 U1F.P14 U1F.P15 U1F.P16 U1F.P17 U1F.P18 U1F.P19 U1F.P20 U1F.P22 U1F.R2 U1F.R5 U1F.R11 U1F.R13 U1F.R14 U1F.R15 U1F.R16 U1F.R17 U1F.R18 U1F.R19 U1F.R20 U1F.R22 U1F.R28 U1F.R31 U1F.T11 U1F.T13 U1F.T14 U1F.T15 U1F.T16 U1F.T17 U1F.T18 U1F.T19 U1F.T20 U1F.T22 U1F.U11 U1F.U13 U1F.U14 U1F.U15 U1F.U16 U1F.U17 U1F.U18 U1F.U19 U1F.U20 U1F.U22 U1F.V2 U1F.V5 U1F.V11 U1F.V13 U1F.V14 U1F.V15 U1F.V16 U1F.V17 U1F.V18 U1F.V19 U1F.V20 U1F.V22 U1F.V28 U1F.V31 U1F.W11 U1F.W13 U1F.W14 U1F.W15 U1F.W16 U1F.W17 U1F.W18 U1F.W19 U1F.W20 U1F.W22 U1F.Y2 U1F.Y11 U1F.Y13 U1F.Y14 U1F.Y15 U1F.Y16 U1F.Y17 U1F.Y18 U1F.Y19 U1F.Y20